# Altium PCB PCB1.PcbDoc (continued)
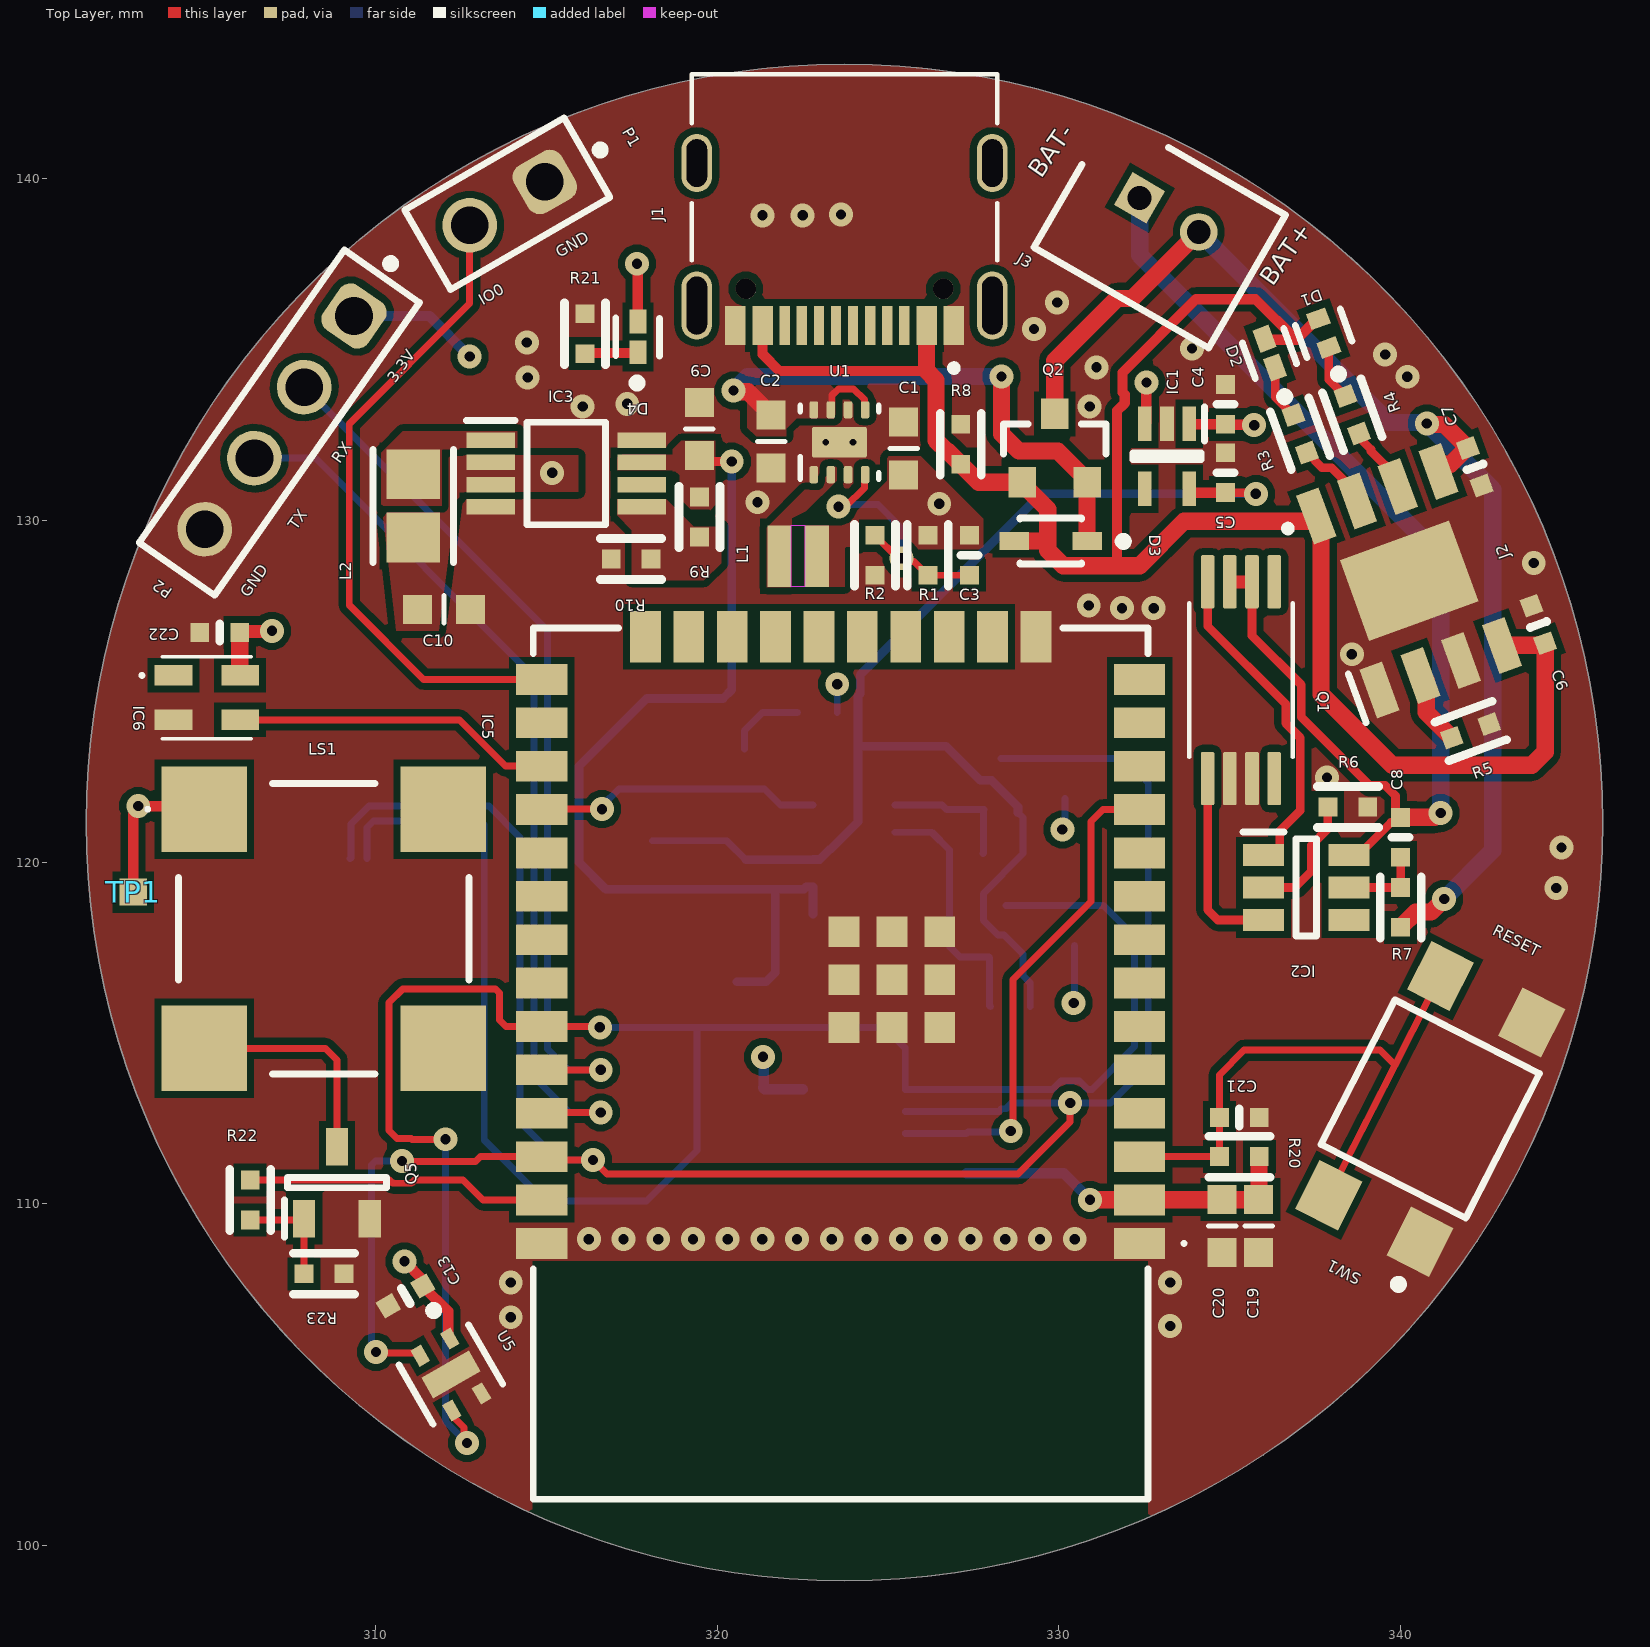
[diagram p0: Top Layer view]
## Components (designator, comment, footprint, x,y, rotation, side; value= is the part's Value field where it differs from the comment)
AC? "LSM6DSOXTR" LGA-14_1 307.875,117.2 r180 bottom
C1 "10µF" SMD-0603C 325.45,132.105 r180 top
C2 "10µF" SMD-0603C 321.574,132.315 r0 top
C3 "22pF" SMD-0402C 327.381,128.981 r0 top
C4 "1µF" SMD-0402C 334.875,133.4 r180 top
C5 "1µF" SMD-0402C 334.875,131.4 r180 top
C6 "0.10µF" SMD-0402C 344.031,126.955 r200 top
C7 "10µF" SMD-0402C 342.17,131.569 r20 top
C8 "0.10µF" SMD-0402C 340,120.725 r0 top
C9 "22µF" SMD-0603C 319.475,132.675 r180 top
C10 "10µF" SMD-0603C 312,127.4 r90 top
C11 "0.10µF" SMD-0402C 320.825,120.65 r0 bottom
C12 "10µF" SMD-0402C 320.85,118.625 r180 bottom
C13 "0.10µF" SMD-0402C 310.875,107.3 r300 top
C18 "0.10µF" SMD-0402C 321.375,112.775 r180 bottom
C19 "22µF" SMD-0603C 335.846,109.346 r0 top
C20 "0.10µF" SMD-0603C 334.772,109.347 r0 top
C21 "0.10µF" SMD-0402C 335.28,112.522 r90 top
C22 "0.10µF" SMD-0402C 305.435,126.721 r270 top
D1 "SML-P12VTT86R" FP-SML-P1-MFG 337.744,135.484 r110 top
D2 "APHHS1005CGCK" FP-APHHS1005CGCK-MFG 336.169,134.899 r110 top
D3 "BAT20JFILM" FP-BAT20JFILM-MFG 329.755,129.4 r180 top
D4 "APHHS1005CGCK" FP-APHHS1005CGCK-MFG 317.675,135.375 r90 top
IC1 "MIC5365-1.8YC5-TR" SOT65P210X110-5N 333.162,131.88 r270 top
IC2 "DW01-P" SOT95P280X135-6N 337.241,119.258 r0 top
IC3 "PAM2401SCADJ" SOP65P490X110-8N 315.575,131.375 r0 top
IC4 "MAX30205MTA+T" SON65P300X300X80-9N 324,112.375 r180 bottom
IC5 "ESP32-WROOM-32E-N8R2" ESP32WROOM32EN8R2 323.609,114.099 r180 top locked
IC6 "SK6805-2427" SK68052427 305.054,124.816 r180 top
J1 "TYPE-C-31-M-12" HRO_TYPE-C-31-M-12 323.723,140.462 r180 top
J2 "TP4056" SOIC127P600X175-9N 340.247,128.235 r110 top
J3 "B2B-PH-K-S_LF__SN_" SHDR2W50P0X200_1X2_590X450X600P 332.359,139.446 r150 top
L1 "1.2uH" WE-MAIA_1610 1592.36,1398.956 r0 top
L2 "LQM21PN2R2MC0D" FP-LQM21PN_C0-IPC_A 311.1,130.425 r90 top
LS1 "CMT-8530S-SMT-TR" CMT8530SSMTTR 308.475,118.05 r180 top locked
P1 "61300211121" 61300211121 313.85,139.275 r210 top
P2 "61300411121" 61300411121 307.178,132.865 r235 top
Q1 "FS8205A" SOP65P640X120-8N 335.325,125.325 r270 top
Q2 "DMG2307L-7" FP-SOT23-MFG 329.875,132.121 r90 top
Q3 "RE1C001UNTCL" SOTFL50P160X85-3N 328.3,122.289 r90 bottom
Q4 "RE1C001UNTCL" SOTFL50P160X85-3N 328.45,117.975 r90 bottom
Q5 "MMBT3904-7-F" SOT96P240X110-3N 308.864,110.617 r90 top
R1 "360k" SMD-0402-RES 326.161,128.981 r180 top
R2 "80k" SMD-0402-RES 324.612,128.981 r180 top value=360k
R3 "1k" SMD-0402-RES 337.058,132.537 r200 top
R4 "1k" SMD-0402-RES 338.582,133.096 r200 top
R5 "1.2k" SMD-0402-RES 342.046,123.841 r290 top
R6 "1k" SMD-0402-RES 338.455,121.615 r270 top
R7 "100" SMD-0402-RES 340,118.675 r180 top
R8 "10k" SMD-0402-RES 327.127,132.232 r0 top
R9 "750k" SMD-0402-RES 319.475,130.1 r0 top
R10 "100k" SMD-0402-RES 317.475,128.875 r90 top
R11 "2.2k" SMD-0402-RES 328.366,120.25 r270 bottom
R12 "2.2k" SMD-0402-RES 330.175,122.45 r180 bottom
R13 "2.2k" SMD-0402-RES 328.575,115.775 r270 bottom
R14 "2.2k" SMD-0402-RES 330.45,118.15 r180 bottom
R15 "0.0" SMD-0402-RES 322.925,124.375 r270 bottom
R16 "4.7k" SMD-0402-RES 320.8,122.725 r0 bottom
R19 "2.2k" SMD-0402-RES 327.3,111.475 r0 bottom
R20 "10k" SMD-0402-RES 335.28,111.379 r90 top
R21 "1k" SMD-0402-RES 316.125,135.466 r0 top
R22 "220" SMD-0402-RES 306.324,110.109 r0 top
R23 "10k" SMD-0402-RES 308.483,107.95 r270 top
SW1 "TL3305AF260QG" FP-TL3305AF260QG-MFG 340.868,112.776 r63 top
TP1 "5019" KEYSTONE_5019 302.9,119.125 r0 top
TP2 "5019" KEYSTONE_5019 318.1,120.625 r90 bottom
TP3 "5019" KEYSTONE_5019 320.575,116.5 r90 bottom
TP4 "5019" KEYSTONE_5019 318.4,116.5 r90 bottom
U1 "TPS62060DSGT" DSG0008A_V 323.574,132.29 r90 top
U2 "MAX30101EFD+" FP-F143A5-1-MFG 324,120.075 r180 bottom
U5 "SHTC3" FP-SHTC3-MFG 312.2,105 r300 top

## Footprints (in the part's own frame and the unit in brackets; to place one, negate y for a bottom-side part, rotate by r counter-clockwise, add the part's x,y. Pads: shape width x height; smd on the part's side, far side on the other; paste and mask are expansions set on the pad)
61300211121 [mm] "Pin Header, pitch 2.54 mm, THT, Vertical, single row, 2p"
  rrect50% 1.6x1.6 hole 1.1: 1(-1.27,0)
  round 1.6 hole 1.1: 2(1.27,0)
  silkscreen extent -3.26,-1.35 2.69,1.35, body extent -2.54,-1.27 2.54,1.27, height 8.57
61300411121 [mm] "Pin Header, pitch 2.54 mm, THT, Vertical, single row, 4p"
  rrect50% 1.6x1.6 hole 1.1: 1(-3.81,0)
  round 1.6 hole 1.1: 2(-1.27,0) 3(1.27,0) 4(3.81,0)
  silkscreen extent -5.8,-1.35 5.23,1.35, body extent -5.08,-1.27 5.08,1.27, height 8.57
CMT8530SSMTTR [mm]
  rect 2.5x2.5 smd: 1(3.5,-3.5) 2(3.5,3.5) 3(-3.5,3.5) 4(-3.5,-3.5)
  silkscreen extent -4.25,-4.25 5.2,4.25, body extent -4.06,-4.25 4.45,4.25, height 3
DSG0008A_V [mm] "SON, 8-Leads, Body 2x2mm, Pitch 0.5mm, Thermal Pad 1.6x0.9mm, TI Recommended"
  rrect40% 0.5x0.25 smd: 1(-0.95,0.75) 2(-0.95,0.25) 3(-0.95,-0.25) 4(-0.95,-0.75) 5(0.95,-0.75) 6(0.95,-0.25) 7(0.95,0.25) 8(0.95,0.75)
  rrect11% 0.9x1.6 smd paste-0.45: 9(0,0)
  silkscreen extent -1.07,-1.15 1.07,1.15, body extent -1.05,-1.05 1.05,1.05, height 0.8
ESP32WROOM32EN8R2 [mm]
  rect 1.5x0.9 smd: 1(-8.75,5.26) 2(-8.75,3.99) 3(-8.75,2.72) 4(-8.75,1.45) 5(-8.75,0.18) 6(-8.75,-1.09) 7(-8.75,-2.36) 8(-8.75,-3.63) 9(-8.75,-4.9) 10(-8.75,-6.17) 11(-8.75,-7.44) 12(-8.75,-8.71) 13(-8.75,-9.98) 14(-8.75,-11.25) 25(8.75,-11.25) 26(8.75,-9.98) 27(8.75,-8.71) 28(8.75,-7.44) 29(8.75,-6.17) 30(8.75,-4.9) 31(8.75,-3.63) 32(8.75,-2.36) 33(8.75,-1.09) 34(8.75,0.18) 35(8.75,1.45) 36(8.75,2.72) 37(8.75,3.99) 38(8.75,5.26)
  rect 0.9x1.5 smd: 15(-5.715,-12.5) 16(-4.445,-12.5) 17(-3.175,-12.5) 18(-1.905,-12.5) 19(-0.635,-12.5) 20(0.635,-12.5) 21(1.905,-12.5) 22(3.175,-12.5) 23(4.445,-12.5) 24(5.715,-12.5)
  rect 0.9x0.9 smd: 39(-1.5,-2.46) 40(-2.9,-2.46) 41(-2.9,-3.86) 42(-1.5,-3.86) 43(-0.1,-3.86) 44(-0.1,-2.46) 45(-0.1,-1.06) 46(-1.5,-1.06) 47(-2.9,-1.06)
  silkscreen extent -10.1,-12.75 9,12.75, body extent -9,-12.75 9,12.75, height 4.05
FP-APHHS1005CGCK-MFG [mm]
  rect 0.7x0.5 smd paste+0 mask+0: 1(-0.45,0) 2(0.45,0)
  silkscreen extent -1.47,-0.63 0.55,0.65, body extent -0.9,-0.4 0.9,0.4, height 0.25
FP-BAT20JFILM-MFG [mm]
  rect 0.86x0.54 smd paste+0 mask+0: 1(-1.07,0) 2(1.07,0)
  silkscreen extent -2.25,-0.67 0.9,0.67, body extent -1.6,-0.77 1.6,0.77, height 0.25
FP-F143A5-1-MFG [mm]
  rect 0.75x0.35 smd paste+0 mask+0: 1(-1.2,2.4) 2(-1.2,1.6) 3(-1.2,0.8) 4(-1.2,0) 5(-1.2,-0.8) 6(-1.2,-1.6) 7(-1.2,-2.4) 8(1.2,-2.4) 9(1.2,-1.6) 10(1.2,-0.8) 11(1.2,0) 12(1.2,0.8) 13(1.2,1.6) 14(1.2,2.4)
  silkscreen extent -2.75,-2.85 0.45,2.85, body extent -1.65,-2.8 1.65,2.8, height 1.65
FP-LQM21PN_C0-IPC_A [mm]
  rect 1.455x1.556 smd paste+0 mask+0: 1(-0.926,0) 2(0.926,0)
  silkscreen extent -1.65,-1.18 1.65,1.18, body extent -2.15,-1.28 2.15,1.28, height 0.25
FP-SHTC3-MFG [mm]
  rect 0.55x0.35 smd paste-1000 mask-1000: 1(-0.925,0.5) 2(-0.925,-0.5) 3(0.925,-0.5) 4(0.925,0.5)
  rect 0.7x1.6 smd paste-1000 mask+0: 5(0,0)
  silkscreen extent -2,-1.17 1,1.17, body extent -1.4,-1.1 1.4,1.1, height 0.25
FP-SML-P1-MFG [mm]
  rect 0.5x0.6 smd paste+0 mask+0: 1(-0.45,0) 2(0.45,0)
  silkscreen extent -1.4,-0.7 0.5,0.7, body extent -0.8,-0.42 0.8,0.42, height 0.25
FP-SOT23-MFG [mm]
  rect 0.9x0.8 smd paste+0 mask+0: 1(-1,0.95) 2(-1,-0.95) 3(1,0)
  silkscreen extent -0.18,-1.5 0.7,1.5, body extent -1.55,-1.6 1.55,1.6, height 0.25
FP-TL3305AF260QG-MFG [mm]
  rect 1.6x1.4 smd paste+0 mask+0: 1(-3.6,-1.5) 2(3.6,-1.5) 3(-3.6,1.5) 4(3.6,1.5)
  silkscreen extent -5.12,-2.38 2.38,2.38, body extent -4.5,-2.47 4.5,2.47, height 0.25
HRO_TYPE-C-31-M-12 [mm]
  rect 0.6x1.14 smd mask+0.05: A1_B12(-3.2,4.75) A4_B9(-2.4,4.75) B1_A12(3.2,4.75) B4_A9(2.4,4.75)
  rect 0.3x1.14 smd mask+0.05: A5(-1.25,4.75) A6(-0.25,4.75) A7(0.25,4.75) A8(1.25,4.75) B5(1.75,4.75) B6(0.75,4.75) B7(-0.75,4.75) B8(-1.75,4.75)
  oval 0.9x2 hole 0.6 slot 1.7 at 90 deg: S1(-4.325,4.17) S2(4.325,4.17)
  oval 0.9x1.7 hole 0.6 slot 1.4 at 90 deg: S3(-4.325,0) S4(4.325,0)
  round 0.6 hole 0.6 unplated: ""(-2.89,3.68) ""(2.89,3.68)
  silkscreen extent -4.47,-2.6 4.47,6.1, body extent -4.47,-2.6 4.47,5.31, height 3.31
KEYSTONE_5019 [mm]
  rect 0.8x0.8 smd: TP(0,0)
LGA-14_1 [mm]
  rect 0.6x0.3 smd: 1(-1.15,0.75) 2(-1.15,0.25) 3(-1.15,-0.25) 4(-1.15,-0.75) 8(1.15,-0.75) 9(1.15,-0.25) 10(1.15,0.25) 11(1.15,0.75)
  rect 0.3x0.6 smd: 5(-0.5,-0.9) 6(0,-0.9) 7(0.5,-0.9) 12(0.5,0.9) 13(0,0.9) 14(-0.5,0.9)
  silkscreen extent -1.83,0.74 -1.8,0.77, body extent -1.62,-1.25 1.38,1.25, height 0.86
SHDR2W50P0X200_1X2_590X450X600P [mm]
  rect 1.1x1.1 hole 0.7: 1(0,0)
  round 1.1 hole 0.7: 2(-2,0)
  silkscreen extent -3.95,-1.7 1.95,2.8, body extent -3.95,-2.25 1.95,2.25, height 6
SK68052427 [mm]
  rect 1.1x0.6 smd: 1(0.975,-0.65) 2(0.975,0.65) 3(-0.975,0.65) 4(-0.975,-0.65)
  silkscreen extent -1.3,-1.2 1.95,1.2, body extent -1.3,-1.2 1.3,1.2, height 1.2
SMD-0402-RES [mm]
  rect 0.55x0.55 smd: 1(0,0.584) 2(0,-0.584)
  silkscreen extent -0.6,-0.9 0.6,0.9, body extent -0.28,-0.57 0.27,0.58, height 0.41
SMD-0402C [mm]
  rect 0.55x0.55 smd: 1(0,0.584) 2(0,-0.584)
  silkscreen extent -0.25,0 0.25,0, body extent -0.25,-0.51 0.25,0.51, height 0.51
SMD-0603C [mm]
  rect 0.85x0.85 smd: 1(0,0.775) 2(0,-0.775)
  silkscreen extent -0.4,0 0.4,0, body extent -0.4,-0.8 0.4,0.8, height 0.9
SOIC127P600X175-9N [mm]
  rect 1.525x0.7 smd: 1(-2.712,1.905) 2(-2.712,0.635) 3(-2.712,-0.635) 4(-2.712,-1.905) 5(2.712,-1.905) 6(2.712,-0.635) 7(2.712,0.635) 8(2.712,1.905)
  rect 2.513x3.402 smd: 9(0,0)
  silkscreen extent -3.48,2.6 -1.95,2.61, body extent -3,-2.45 3,2.45, height 1.75
SON65P300X300X80-9N [mm]
  rect 0.75x0.35 smd: 1(-1.5,0.975) 2(-1.5,0.325) 3(-1.5,-0.325) 4(-1.5,-0.975) 5(1.5,-0.975) 6(1.5,-0.325) 7(1.5,0.325) 8(1.5,0.975)
  rect 1.6x2.4 smd: 9(0,0)
  silkscreen extent -2,1.53 -1.75,1.77, body extent -1.55,-1.5 1.55,1.5, height 0.8
SOP65P490X110-8N [mm]
  rect 1.425x0.45 smd: 1(-2.212,0.975) 2(-2.212,0.325) 3(-2.212,-0.325) 4(-2.212,-0.975) 5(2.212,-0.975) 6(2.212,-0.325) 7(2.212,0.325) 8(2.212,0.975)
  silkscreen extent -2.93,-1.5 1.15,1.55, body extent -2.45,-1.5 2.45,1.5, height 1.1
SOP65P640X120-8N [mm]
  rrect25% 1.56x0.4 smd: 1(-2.88,0.975) 2(-2.88,0.325) 3(-2.88,-0.325) 4(-2.88,-0.975) 5(2.88,-0.975) 6(2.88,-0.325) 7(2.88,0.325) 8(2.88,0.975)
  silkscreen extent -4.54,-1.52 2.25,1.52, body extent -3.2,-1.47 3.2,1.47, height 1.2
SOT65P210X110-5N [mm]
  rect 1x0.4 smd: 1(-0.95,0.65) 2(-0.95,0) 3(-0.95,-0.65) 4(0.95,-0.65) 5(0.95,0.65)
  silkscreen extent -1.45,-1 0.1,1.1, body extent -1.05,-1 1.05,1, height 1.1
SOT95P280X135-6N [mm]
  rect 1.2x0.65 smd: 1(-1.25,0.95) 2(-1.25,0) 3(-1.25,-0.95) 4(1.25,-0.95) 5(1.25,0) 6(1.25,0.95)
  silkscreen extent -1.85,-1.43 0.3,1.63, body extent -1.4,-1.43 1.4,1.43, height 1.35
SOT96P240X110-3N [mm]
  rect 1.1x0.65 smd: 1(-1.05,0.96) 2(-1.05,-0.96) 3(1.05,0)
  silkscreen extent -1.6,-1.45 0.15,1.54, body extent -1.2,-1.45 1.2,1.45, height 1.1
SOTFL50P160X85-3N [mm]
  rect 0.64x0.47 smd: 1(-0.75,0.5) 2(-0.75,-0.5) 3(0.75,0)
  silkscreen extent -1.07,-0.8 0.08,0.98, body extent -0.8,-0.8 0.8,0.8, height 0.85
WE-MAIA_1610 [mm] "SMT Power Inductor, 2-leads, body 1.6x1.6mm"
  rect 0.7x1.8 smd: 1(-1270.55,-1270) 2(-1269.45,-1270)
  Top Layer keep-out region: -1270.2,-1269.1 -1269.8,-1269.1 -1269.8,-1270.9 -1270.2,-1270.9
  body extent -1270.8,-1270.8 -1269.2,-1269.2, height 1

## Part data
AC?: "Accelerometer", Manufacturer_Name=STMicroelectronics, Mouser Part Number=511-LSM6DSOXTR, Arrow Part Number=LSM6DSOXTR, Arrow Price/Stock=https://www.arrow.com/en/products/lsm6dsoxtr/stmicroelectronics?utm_currency=USD&region=europe, Datasheet Link=https://www.st.com/resource/en/datasheet/lsm6dsox.pdf, Manufacturer_Part_Number=LSM6DSOXTR, Mouser Price/Stock=https://www.mouser.co.uk/ProductDetail/STMicroelectronics/LSM6DSOXTR?qs=l7cgNqFNU1i9dcjzItLpVQ%3D%3D
C1 C2 C10: library part GRM188C81C106MA73D, "CAP CER 10UF 16V X6S 0603", Digi-Key Part Number=490-7198-1-ND, Manufacturer="Murata Electronics North America", Operating Temperature="-55°C ~ 105°C", Package / Case="0603 (1608 Metric)", Ratings=-, Temperature Coefficient=X6S, Tolerance=±20%, Voltage=16V, @ qty=0, Applications="General Purpose", Datasheets=http://www.murata.com/~/media/webrenewal/support/library/catalog/products/capacitor/mlcc/c02e.pdf, Factory Stock=0, Features=-, Height - Seated (Max)=-, Image=//media.digikey.com/Renders/Murata%20Renders/ZRB-SERIES-0402.jpg, Lead Spacing=-, Lead Style=-, Minimum Quantity=1, Mounting Type="Surface Mount, MLCC", Packaging="Cut Tape (CT)", Part Number=GRM188C81C106MA73D, Part Status=Active, Quantity Available=215049, Series=GRM, Size / Dimension="0.063\" L x 0.031\" W (1.60mm x 0.80mm)", Thickness (Max)="0.031\" (0.80mm)", Unit Price (USD)=0.34
C3: library part GCM1555C1H220JA16D, "CAP CER 22PF 50V NP0 0402", Digi-Key Part Number=490-9648-1-ND, Manufacturer="Murata Electronics North America", Operating Temperature="-55°C ~ 125°C", Package / Case="0402 (1005 Metric)", Ratings=AEC-Q200, Temperature Coefficient="C0G, NP0", Tolerance=±5%, Voltage=50V, @ qty=0, Applications=Automotive, Datasheets=http://www.murata.com/~/media/webrenewal/support/library/catalog/products/capacitor/mlcc/c03e.ashx, Factory Stock=0, Features=-, Height - Seated (Max)=-, Image=//media.digikey.com/Renders/Murata%20Renders/ZRB-SERIES-0402.jpg, Lead Spacing=-, Lead Style=-, Minimum Quantity=1, Mounting Type="Surface Mount, MLCC", Packaging="Cut Tape (CT)", Part Number=GCM1555C1H220JA16D, Part Status=Active, Quantity Available=26532, Series=GCM, Size / Dimension="0.039\" L x 0.020\" W (1.00mm x 0.50mm)", Thickness (Max)="0.022\" (0.55mm)", Unit Price (USD)=0.1
C4 C5: library part GCM155C71A105KE38D, "CAP CER 1UF 10V X7S 0402", Digi-Key Part Number=490-13409-1-ND, Manufacturer="Murata Electronics North America", Operating Temperature="-55°C ~ 125°C", Package / Case="0402 (1005 Metric)", Ratings=AEC-Q200, Temperature Coefficient=X7S, Tolerance=±10%, Voltage=10V, @ qty=0, Applications=Automotive, Datasheets=http://www.murata.com/~/media/webrenewal/support/library/catalog/products/capacitor/mlcc/c03e.ashx, Factory Stock=0, Features=-, Height - Seated (Max)=-, Image=//media.digikey.com/Renders/Murata%20Renders/ZRB-SERIES-0402.jpg, Lead Spacing=-, Lead Style=-, Minimum Quantity=1, Mounting Type="Surface Mount, MLCC", Packaging="Cut Tape (CT)", Part Number=GCM155C71A105KE38D, Part Status=Active, Quantity Available=7240, Series=GCM, Size / Dimension="0.039\" L x 0.020\" W (1.00mm x 0.50mm)", Thickness (Max)="0.022\" (0.55mm)", Unit Price (USD)=0.12
C6 C8 C11 C13 C18 C21 C22: library part GCM155R71C104KA55D, "CAP CER 0.1UF 16V X7R 0402", Digi-Key Part Number=490-4759-1-ND, Manufacturer="Murata Electronics North America", Operating Temperature="-55°C ~ 125°C", Package / Case="0402 (1005 Metric)", Ratings=AEC-Q200, Temperature Coefficient=X7R, Tolerance=±10%, Voltage=16V, @ qty=0, Applications=Automotive, Datasheets=http://www.murata.com/~/media/webrenewal/support/library/catalog/products/capacitor/mlcc/c03e.ashx, Factory Stock=0, Features=-, Height - Seated (Max)=-, Image=//media.digikey.com/Renders/Murata%20Renders/ZRB-SERIES-0402.jpg, Lead Spacing=-, Lead Style=-, Minimum Quantity=1, Mounting Type="Surface Mount, MLCC", Packaging="Cut Tape (CT)", Part Number=GCM155R71C104KA55D, Part Status=Active, Quantity Available=734194, Series=GCM, Size / Dimension="0.039\" L x 0.020\" W (1.00mm x 0.50mm)", Thickness (Max)="0.022\" (0.55mm)", Unit Price (USD)=0.1
C7 C12: library part GRJ155R60J106ME11D, "CAP CER 10UF 6.3V X5R 0402", Digi-Key Part Number=490-13211-1-ND, Manufacturer="Murata Electronics North America", Operating Temperature="-55°C ~ 85°C", Package / Case="0402 (1005 Metric)", Ratings=-, Temperature Coefficient=X5R, Tolerance=±20%, Voltage=6.3V, @ qty=0, Applications="Boardflex Sensitive", Datasheets=http://psearch.en.murata.com/capacitor/product/GRJ155R60J106ME11%23.pdf, Factory Stock=0, Features="Derating Recommended, Soft Termination", Height - Seated (Max)=-, Image=//media.digikey.com/Renders/Murata%20Renders/ZRB-SERIES-0402.jpg, Lead Spacing=-, Lead Style=-, Minimum Quantity=1, Mounting Type="Surface Mount, MLCC", Packaging="Cut Tape (CT)", Part Number=GRJ155R60J106ME11D, Part Status=Active, Quantity Available=64064, Series=GRJ, Size / Dimension="0.039\" L x 0.020\" W (1.00mm x 0.50mm)", Thickness (Max)="0.028\" (0.70mm)", Unit Price (USD)=0.23
C9: library part GRM188C60J226MEA0D, "CAP CER 22UF 6.3V X5S 0603", Digi-Key Part Number=490-10468-1-ND, Manufacturer="Murata Electronics North America", Operating Temperature="-55°C ~ 85°C", Package / Case="0603 (1608 Metric)", Ratings=-, Temperature Coefficient=X5S, Tolerance=±20%, Voltage=6.3V, @ qty=0, Applications="General Purpose", Datasheets=http://www.murata.com/~/media/webrenewal/support/library/catalog/products/capacitor/mlcc/c02e.pdf, Factory Stock=0, Features="Derating Recommended", Height - Seated (Max)=-, Image=//media.digikey.com/Renders/Murata%20Renders/ZRB-SERIES-0402.jpg, Lead Spacing=-, Lead Style=-, Minimum Quantity=1, Mounting Type="Surface Mount, MLCC", Packaging="Cut Tape (CT)", Part Number=GRM188C60J226MEA0D, Part Status=Active, Quantity Available=3653, Series=GRM, Size / Dimension="0.063\" L x 0.031\" W (1.60mm x 0.80mm)", Thickness (Max)="0.039\" (1.00mm)", Unit Price (USD)=0.27
C19: library part ZRB18AR60J226ME01L, "CAP CER 22UF 6.3V X5R 0603", Digi-Key Part Number=490-10988-1-ND, Manufacturer="Murata Electronics North America", Operating Temperature="-55°C ~ 85°C", Package / Case="0603 (1608 Metric)", Ratings=-, Temperature Coefficient=X5R, Tolerance=±20%, Voltage=6.3V, @ qty=0, Applications="Acoustic Noise Reduction", Datasheets=http://search.murata.co.jp/Ceramy/image/img/A01X/G101/ENG/ZRB18AR60J226ME01-01.pdf, Factory Stock=0, Features="Derating Recommended, Interposer Termination", Height - Seated (Max)=-, Image=//media.digikey.com/Renders/Murata%20Renders/ZRB-SERIES-0603.jpg, Lead Spacing=-, Lead Style=-, Minimum Quantity=1, Mounting Type="Surface Mount, MLCC", Packaging="Cut Tape (CT)", Part Number=ZRB18AR60J226ME01L, Part Status=Active, Quantity Available=3040, Series=ZRB, Size / Dimension="0.063\" L x 0.031\" W (1.60mm x 0.80mm)", Thickness (Max)="0.047\" (1.20mm)", Unit Price (USD)=0.44
C20: library part GCJ188R71C104KA01D, "CAP CER 0.1UF 16V X7R 0603", Digi-Key Part Number=490-5796-1-ND, Manufacturer="Murata Electronics North America", Operating Temperature="-55°C ~ 125°C", Package / Case="0603 (1608 Metric)", Ratings=AEC-Q200, Temperature Coefficient=X7R, Tolerance=±10%, Voltage=16V, @ qty=0, Applications="Automotive, Boardflex Sensitive", Datasheets=http://www.murata.com/~/media/webrenewal/support/library/catalog/products/capacitor/mlcc/c03e.ashx, Factory Stock=0, Features="Soft Termination", Height - Seated (Max)=-, Image=//media.digikey.com/Renders/Murata%20Renders/0603%28LQG18%29.jpg, Lead Spacing=-, Lead Style=-, Minimum Quantity=1, Mounting Type="Surface Mount, MLCC", Packaging="Cut Tape (CT)", Part Number=GCJ188R71C104KA01D, Part Status=Active, Quantity Available=22473, Series=GCJ, Size / Dimension="0.063\" L x 0.031\" W (1.60mm x 0.80mm)", Thickness (Max)="0.035\" (0.90mm)", Unit Price (USD)=0.21
D1: library part CMP-08952-000002-1, "LED RED CLEAR 0402 SMD", Colour=Red, Forward Current=20mA, Forward Voltage=2V, Manufacturer=Rohm, Package=SML-P1, Power Dissipation=50mW, Reverse Voltage=5V, Temperature="-40°C to +85°C", Temperature Range High=+85°C, Temperature Range Low=-40°C, Automotive=No, Category=Diode, ComponentLink2Description=Datasheet, ComponentLink2URL=https://www.rohm.com/datasheet/SML-P12VT(R)/sml-p1-e, Device Class L1=Optoelectronics, Device Class L2=LEDs, Device Class L3=unset, Digikey Description="LED RED CLEAR 0402 SMD", Height=0.25mm, Lead Free=Yes, Led Orientation="Top View", Luminous Intensity=60mcd, Manufacturer Part Number=SML-P12VTT86R, Mouser Description="SML-P1 Series Red 0402 Clear 60 mcd 2V Surface Mount PICOLED? LED", Octopart=https://octopart.com/sml-p12vtt86r-rohm-34112315, RoHS=TRUE, Wavelength=630nm
D2 D4: library part CMP-44529-000044-1, "LED GREEN CLEAR CHIP SMD", Case Code (Imperial)=0402, Case Code (Metric)=1005, Color=Green, Forward Current=20mA, Forward Voltage=2.1V, Lens Color=Clear, Max Operating Temperature=85°C, Min Operating Temperature=-40°C, Package Quantity=2000, Case/Package=0402, Dominant Wavelength=570nm, Height=0.6mm, Illumination Color=Green, Lead Free="Lead Free", Length=1mm, Lens Style=Clear, Luminous Intensity=50mcd, Mount="Surface Mount", Number of LEDs=1, Number of Pins=2, Packaging="Tape and Reel", Test Current=20mA, Viewing Angle=120°, Wavelength=570nm, Width=0.5mm
D3: library part CMP-12187-000030-1, "DIODE SCHOTTKY 23V 1A SOD323", Average Rectified Current=1A, Capacitance=30pF, Forward Voltage=620mV, Max Forward Surge Current (Ifsm)=5A, Max Operating Temperature=150°C, Max Repetitive Reverse Voltage (Vrrm)=23V, Max Reverse Leakage Current=12uA, Min Operating Temperature=-65°C, Package Quantity=1, Current Rating=1A, Element Configuration=Single, Forward Current=1A, Height=1.03mm, Lead Free="Lead Free", Length=1.8mm, Max Reverse Voltage (DC)=23V, Max Surge Current=5A, Mount="Surface Mount", Number of Pins=2, Output Current=1A, Packaging="Tape and Reel", Peak Non-Repetitive Surge Current=5A, Peak Reverse Current=12uA, Polarity=Standard, Radiation Hardening=No, REACH SVHC="No SVHC", Voltage Rating (DC)=23V, Weight=0.01lb, Width=1.35mm
IC1: "Integrated Circuit", Manufacturer_Name=Microchip, Mouser Part Number=998-MIC5365-1.8YC5TR, Arrow Part Number=MIC5365-1.8YC5-TR, Arrow Price/Stock=https://www.arrow.com/en/products/mic5365-1.8yc5-tr/microchip-technology?utm_currency=USD&region=nac, Datasheet Link=http://ww1.microchip.com/downloads/en/DeviceDoc/mic5365.pdf, Height=1.1mm, Manufacturer_Part_Number=MIC5365-1.8YC5-TR, Mouser Price/Stock=https://www.mouser.co.uk/ProductDetail/Microchip-Technology/MIC5365-1.8YC5-TR?qs=U6T8BxXiZAUJRWmX5wGIlA%3D%3D
IC2: "Integrated Circuit", Manufacturer_Name="Fortune Semiconductor Corporation", Datasheet Link=https://cdn.sparkfun.com/assets/learn_tutorials/2/5/1/DW01-P_DataSheet_V10.pdf, Height=1.35mm, Manufacturer_Part_Number=DW01-P
IC3: "Integrated Circuit", Manufacturer_Name="Diodes Incorporated", Mouser Part Number=621-PAM2401SCADJ, Arrow Part Number=PAM2401SCADJ, Arrow Price/Stock=https://www.arrow.com/en/products/pam2401scadj/diodes-incorporated?region=nac, Datasheet Link=https://www.diodes.com//assets/Datasheets/PAM2401.pdf, Height=1.1mm, Manufacturer_Part_Number=PAM2401SCADJ, Mouser Price/Stock=https://www.mouser.co.uk/ProductDetail/Diodes-Incorporated/PAM2401SCADJ?qs=Ay79KZaUeZCprHtLIDXq%252BQ%3D%3D
IC4: "Integrated Circuit", Manufacturer_Name="Analog Devices", Mouser Part Number=700-MAX30205MTA+T, Arrow Part Number=MAX30205MTA+T, Arrow Price/Stock=https://www.arrow.com/en/products/max30205mtat/analog-devices?utm_currency=USD&region=nac, Datasheet Link=https://datasheets.maximintegrated.com/en/ds/MAX30205.pdf, Height=0.8mm, Manufacturer_Part_Number=MAX30205MTA+T, Mouser Price/Stock=https://www.mouser.co.uk/ProductDetail/Analog-Devices-Maxim-Integrated/MAX30205MTA%2bT?qs=vgjKjNJexThp0Kgta53gGw%3D%3D
IC5: "Integrated Circuit", Manufacturer_Name="Espressif Systems", Mouser Part Number=356-ESP32WRM32EN8R2, Datasheet Link=https://www.espressif.com/sites/default/files/documentation/esp32-wroom-32e_esp32-wroom-32ue_datasheet_en.pdf, Height=3.25mm, Manufacturer_Part_Number=ESP32-WROOM-32E-N8R2, Mouser Price/Stock=https://www.mouser.co.uk/ProductDetail/Espressif-Systems/ESP32-WROOM-32E-N8R2?qs=By6Nw2ByBD0mvGJSS3Ohlw%3D%3D
IC6: "Integrated Circuit", Manufacturer_Name=Adafruit, Datasheet Link=https://cdn-shop.adafruit.com/product-files/3484/3484_Datasheet.pdf, Height=1.1mm, Manufacturer_Part_Number=SK6805-2427
J1: "USB Connectors 24 Receptacle 1 8.94*7.3mm RoHS", Package=Package, Availability="Not in stock", Check_prices=https://www.snapeda.com/parts/TYPE-C-31-M-12/HRO+Electronics+Co.%252C+Ltd./view-part/?ref=eda, MF="HRO Electronics Co., Ltd.", MP=TYPE-C-31-M-12, Price=None, SnapEDA_Link=https://www.snapeda.com/parts/TYPE-C-31-M-12/HRO+Electronics+Co.%252C+Ltd./view-part/?ref=snap
J2: "Connector", Manufacturer_Name="NanJing Top Power", Datasheet Link=https://dlnmh9ip6v2uc.cloudfront.net/datasheets/Prototyping/TP4056.pdf, Height=1.75mm, Manufacturer_Part_Number=TP4056
J3: "Connector", Arrow Part Number=B2B-PH-K-S(LF)(SN), Manufacturer_Name="JST (JAPAN SOLDERLESS TERMINALS)", Mouser Part Number=306-B2BPHKSLFSNPP, Arrow Price/Stock=https://www.arrow.com/en/products/b2b-ph-k-s-lf-sn/jst-manufacturing?utm_currency=USD&region=europe, Datasheet Link=https://datasheet.lcsc.com/szlcsc/JST-Sales-America-B2B-PH-K-S-LF-SN_C131337.pdf, Height=6mm, Manufacturer_Part_Number=B2B-PH-K-S(LF)(SN), Mouser Price/Stock=https://www.mouser.co.uk/ProductDetail/JST-Commercial/B2B-PH-K-SLFSN?qs=cdbOS8ANM9AlozzPlOt72g%3D%3D
L1: library part CMP-03913-119894041-2, "78438313012 Power Inductor, Aec-Q200, 1.2Uh, 1.3A Rohs Compliant: Yes", Ambient Temperature Range High=85°C, Ambient Temperature Range Low=-40°C, Current Rating=1.3A, DC Resistance (DCR)=140mΩ, Inductance=1.2µH, Max Operating Temperature=125°C, Height=1mm, Length=1.6mm, Min Operating Temperature=-40°C, NexarPartId=119894041, RoHS=Compliant, Width=1.6mm
L2: library part CMP-06042-016994-1, "Multilayer Type Inductor for Power Lines, 0805 (2012), 2.2μH, 20%, 0.425Ω, 0.6A", Case Code (Imperial)=0805, Case Code (Metric)=2012, Current Rating=600mA, DC Resistance (DCR)=340mR, Inductance=2.2uH, Inductance Tolerance=20%, Max Operating Temperature=125°C, Min Operating Temperature=-55°C, Package Quantity=4000, Self Resonant Frequency=50MHz, Test Frequency=1MHz, Case/Package=0805, Core Material=Ferrite, DC Current=600mA, Depth=1.45mm, Height=0.5mm, Height - Seated (Max)=0.022inch, Lead Free="Lead Free", Length=2mm, Max DC Current=600mA, Military Standard=Not, Mount="Surface Mount", Packaging="Tape and Reel", Radiation Hardening=No, Rated Current-Max=600mA, REACH SVHC="No SVHC", RoHS Compliant=Yes, Series=LQM21PN_CO, Shielding=Shielded, Termination=SMD/SMT, Tolerance=20%, Width=0.049inch
LS1: "Loudspeaker or Buzzer", Manufacturer_Name="Same Sky", Mouser Part Number=490-CMT-8530S-SMT-TR, Arrow Part Number=CMT-8530S-SMT-TR, Arrow Price/Stock=https://www.arrow.com/en/products/cmt-8530s-smt-tr/cui-devices?utm_currency=USD&region=nac, Datasheet Link=https://www.sameskydevices.com/product/resource/supplyframepdf/cmt-8530s-smt-tr.pdf, Height=3.5mm, Manufacturer_Part_Number=CMT-8530S-SMT-TR, Mouser Price/Stock=https://www.mouser.co.uk/ProductDetail/Same-Sky/CMT-8530S-SMT-TR?qs=qCxwlXJ4fnxl6A4lXsnRBQ%3D%3D